# Altium PCB PMSM_Motor_Controller_v2_PCB.PcbDoc (part 1 of 3) (continued)
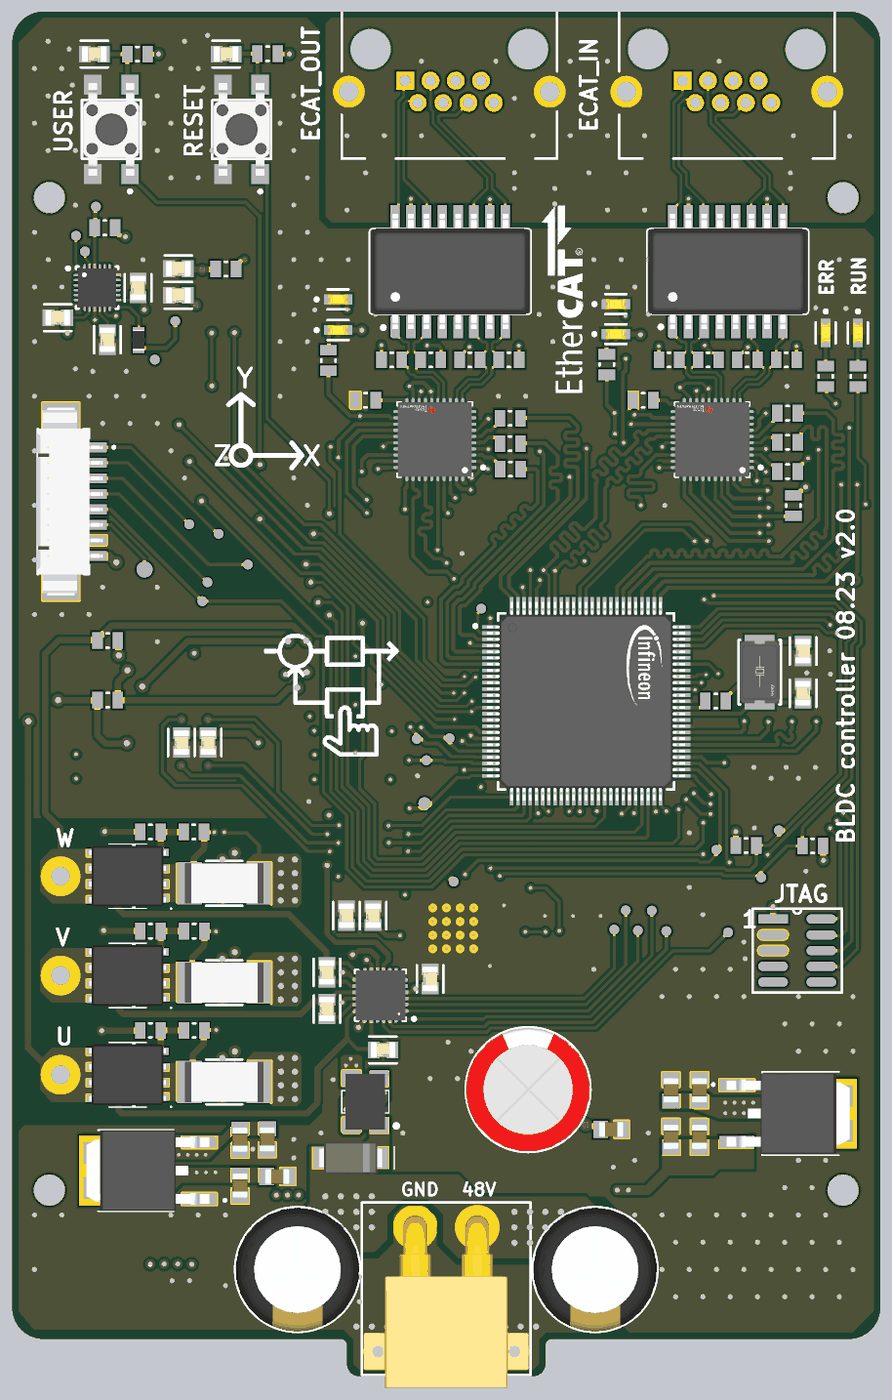
[diagram p6: 3D render of the assembled board from above, using the file's embedded part models]
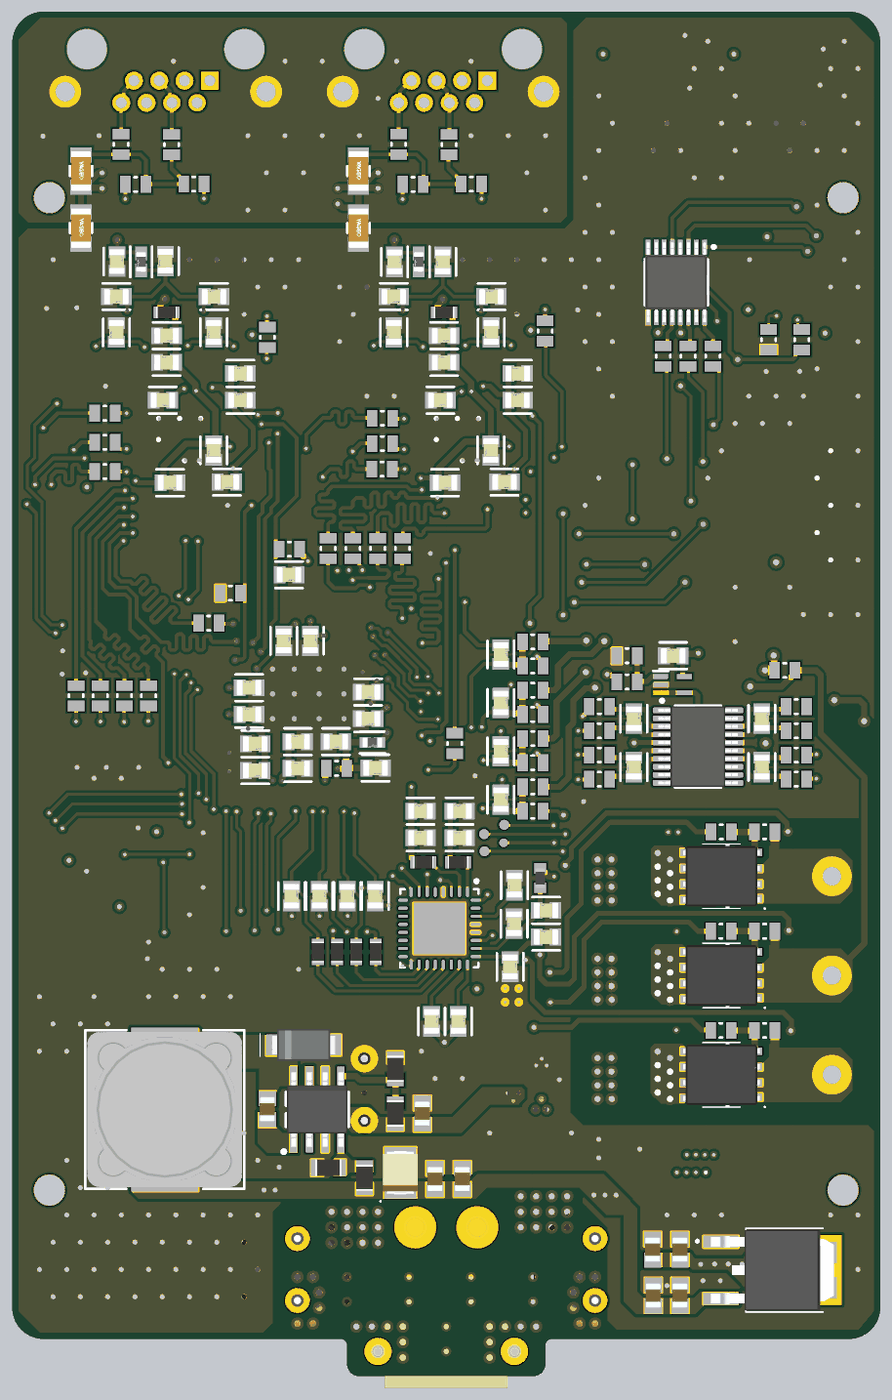
[diagram p7: 3D render of the assembled board from below, using the file's embedded part models]

## Layer stack, top to bottom
Top Solder: solder mask 0.0254, SM-001, Dk 4
Top Layer: signal copper 0.035
Dielectric 1: prepreg 0.2104, PP-017, Dk 4.6
Int1 (GND): signal copper 0.0152
Dielectric 3: core 1.065, Core-039, Dk 4.6
Int2 (PWR): signal copper 0.0152
Dielectric 5: prepreg 0.2104, PP-017, Dk 4.6
Bottom Layer: signal copper 0.035
Bottom Solder: solder mask 0.0254, SM-001, Dk 4

## Board outline
53.54,23 77.5,23 cw(c77.5,22.5) 78,22.5 78,21 ccw(c79,21) 79,20 93,20 ccw(c93,21) 94,21 94,22.5 cw(c94.5,22.5) 94.5,23 118.46,23 ccw(c118.46,25.54) 121,25.54 121,127.46 ccw(c118.46,127.46) 118.46,130 53.54,130 ccw(c53.54,127.46) 51,127.46 51,25.54 ccw(c53.54,25.54)

## Design rules (kind name [scope] priority, off if disabled: settings)
Clearance [All] p1: gap=0.2 ignorepadtopadclearanceinfootprint=FALSE except(0: Arc-Hole Track-Hole SMDPad-Hole THPad-Hole Via-Hole Fill-Hole Poly-Hole Region-Hole Text-Hole; 0.254: Fill-Fill Fill-Poly Fill-Region Poly-Poly Poly-Region Region-Region)
DiffPairsRouting [All] p1: maxlimit=0.254 minlimit=0.203 mostfreqgap=0.254 toplayer_maxgap=0.203 toplayer_prefgap=0.203 toplayer_minwidth=0.206 toplayer_maxwidth=0.206 toplayer_prefwidth=0.206 bottomlayer_maxgap=0.203 bottomlayer_prefgap=0.203 bottomlayer_minwidth=0.206 bottomlayer_maxwidth=0.206 bottomlayer_prefwidth=0.206 impedanceprofiledriven=TRUE impedanceprofileid={FE77F4A6-0BBE-48B7-8E83-864C38B45C52} impedanceprofilevalue=100.000000 maxuncoupledlength=12.7
HoleSize [All] p1: absolutevalues=TRUE maxlimit=6.3 minlimit=0.15 maxpercent=80.000 minpercent=20.000
MinimumSolderMaskSliver [All] p1: minsoldermaskwidth=0.15
PolygonConnect [All] p1: connectstyle=Direct reliefconductorwidth=0.254 reliefentries=4 polygonreliefangle="90 Angle" airgapwidth=0.254
RoutingVias [All] p1: holewidth=0.3 width=0.7 viastyle="Through Hole" minholewidth=0.25 minwidth=0.55 maxholewidth=0.5 maxwidth=1
SilkToSolderMaskClearance [IsPad] p1: minsilkscreentomaskgap=0.15 clearancetoexposedcopper=TRUE
SolderMaskExpansion [All] p1: expansion=0.102 istentingtop=FALSE
UnRoutedNet [All] p1: checkbadconnections=TRUE
Width [All] p1: maxlimit=1 minlimit=0.2 preferedwidth=0.3 minimp=50.000000 maximp=50.000000 favimp=50.000000
25 further rules are at their usual default settings.

## Classes and differential pairs
differential pair class RJ45_OUT_TD: RJ45_OUT_TD
differential pair class RJ45_OUT_RD: RJ45_OUT_RD
differential pair class RJ45_IN_TD: RJ45_IN_TD
differential pair class RJ45_IN_RD: RJ45_IN_RD
differential pair class OUT_TD: OUT_TD
differential pair class OUT_RD: OUT_RD
differential pair class IN_TD: IN_TD
differential pair class IN_RD: IN_RD
differential pair RJ45_OUT_TD: +RJ45_OUT_TD_P -RJ45_OUT_TD_N
differential pair RJ45_OUT_RD: +RJ45_OUT_RD_P -RJ45_OUT_RD_N
differential pair RJ45_IN_TD: +RJ45_IN_TD_P -RJ45_IN_TD_N
differential pair RJ45_IN_RD: +RJ45_IN_RD_P -RJ45_IN_RD_N
differential pair OUT_TD: +OUT_TD_P -OUT_TD_N
differential pair OUT_RD: +OUT_RD_P -OUT_RD_N
differential pair IN_TD: +IN_TD_P -IN_TD_N
differential pair IN_RD: +IN_RD_P -IN_RD_N

## Components (designator, comment, footprint, x,y, rotation, side; value= is the part's Value field where it differs from the comment)
C1 "220u/63V" CAP_POL_10x20 98,28.6 r90 top
C2 "220u/63V" CAP_POL_10x20 74,28.6 r90 top
C3 "100u/63V" CAP_POL_10x12 92.6,43.1 r270 top
C4 "100n/100V/0805" CAP_0805N 87.925,41.175 r270 bottom value=100n/100V
C5 "100n/100V/0805" CAP_0805N 100.425,41.525 r270 bottom value=100n/100V
C6 "100n/100V/0805" CAP_0805N 99.3,39.9 r180 top value=100n/100V
C7 "22u/16V" CAPCP3528X20N 89.7,36.4 r270 bottom
C8 "10u/16V/0805" CAP_0805N 84.7,35.9 r270 bottom value=10u/16V
C9 "100n/100V/0805" CAP_0805N 86.9,35.9 r270 bottom value=100n/100V
C10 "10u/16V/0805" CAP_0805N 71.575,39.1 r90 top value=10u/16V
C11 "100n/100V/0805" CAP_0805N 69.375,39.075 r90 top value=100n/100V
C12 "100n/100V/0805" CAP_0805N 69.375,35.375 r90 top value=100n/100V
C13 "10u/16V/0805" CAP_0805N 72.375,36.1 r180 top value=10u/16V
C14 "10u/16V/0805" CAP_0805N 104.125,39.3 r270 top value=10u/16V
C15 "100n/100V/0805" CAP_0805N 106.425,39.3 r270 top value=100n/100V
C16 "100n/100V/0805" CAP_0805N 106.425,43.05 r270 top value=100n/100V
C17 "10u/16V/0805" CAP_0805N 104.125,43.05 r270 top value=10u/16V
C18 "10u/16V/0805" CAP_0805N 69.3,26.5 r270 bottom value=10u/16V
C19 "100n/100V/0805" CAP_0805N 67.15,26.5 r270 bottom value=100n/100V
C20 "100n/100V/0805" CAP_0805N 67.15,30.2 r270 bottom value=100n/100V
C21 "10u/16V/0805" CAP_0805N 69.35,30.2 r270 bottom value=10u/16V
C22 "100nF" FP-C0805C-DN-MFG 94.9,71.15 r0 bottom value="0.10 μF"
C23 "100nF" FP-C0805C-DN-MFG 91.7,69.025 r0 bottom value="0.10 μF"
C24 "10uF" FP-C0805C-DN-MFG 101.4,70.975 r0 bottom value="0.10 μF"
C25 "100nF" FP-C0805C-DN-MFG 92.3,75.15 r0 bottom value="0.10 μF"
C26 "100nF" FP-C0805C-DN-MFG 101.4,68.825 r0 bottom value="0.10 μF"
C27 "100nF" FP-C0805C-DN-MFG 101.9,73.35 r180 bottom value="0.10 μF"
C28 "100nF" FP-C0805C-DN-MFG 96.95,79.275 r270 bottom value="0.10 μF"
C29 "10uF" FP-C0805C-DN-MFG 97.975,71.15 r180 bottom value="0.10 μF"
C30 "100nF" FP-C0805C-DN-MFG 92.3,73 r0 bottom value="0.10 μF"
C31 "100nF" FP-C0805C-DN-MFG 97.975,69 r180 bottom value="0.10 μF"
C32 "100nF" FP-C0805C-DN-MFG 101.9,75.5 r180 bottom value="0.10 μF"
C33 "100nF" FP-C0805C-DN-MFG 99.1,79.275 r270 bottom value="0.10 μF"
C34 "27pF" FP-C0805C-DN-MFG 114.775,75.05 r270 top value="0.10 μF"
C35 "27pF" FP-C0805C-DN-MFG 114.775,78.45 r90 top value="0.10 μF"
C36 "100nF" FP-C0805C-DN-MFG 57.625,126.575 r180 top value="0.10 μF"
C37 "10nF" FP-C0805C-DN-MFG 68.25,126.575 r180 top value="0.10 μF"
C38 "100nF" FP-C0805C-DN-MFG 98.675,84.6 r0 bottom value="0.10 μF"
C39 "10uF" FP-C0805C-DN-MFG 108.55,103.875 r0 bottom value="0.10 μF"
C40 "100nF" FP-C0805C-DN-MFG 108.55,101.725 r180 bottom value="0.10 μF"
C41 "100nF" FP-C0805C-DN-MFG 108.275,92.025 r0 bottom value="0.10 μF"
C42 "100nF" FP-C0805C-DN-MFG 104.75,94.625 r90 bottom value="0.10 μF"
C43 "10uF" FP-C0805C-DN-MFG 102.6,100.825 r180 bottom value="0.10 μF"
C44 "100nF" FP-C0805C-DN-MFG 102.6,98.675 r180 bottom value="0.10 μF"
C45 "100nF" FP-C0805C-DN-MFG 108.85,98.675 r0 bottom value="0.10 μF"
C46 "100nF" FP-C0805C-DN-MFG 103.675,92.075 r0 bottom value="0.10 μF"
C47 "100nF" FP-C0805C-DN-MFG 104.75,104.15 r90 bottom value="0.10 μF"
C48 "100nF" FP-C0805C-DN-MFG 112.6,104.15 r90 bottom value="0.10 μF"
C49 "100nF" FP-C0805C-DN-MFG 104.725,107.025 r180 bottom value="0.10 μF"
C50 "100nF" FP-C0805C-DN-MFG 112.6,107.025 r0 bottom value="0.10 μF"
C51 "100nF" FP-C0805C-DN-MFG 108.65,109.875 r90 bottom value="0.10 μF"
C52 "100nF" FP-C0805C-DN-MFG 112.55,109.85 r270 bottom value="0.10 μF"
C53 "1nF/2kV" FP-CC1206-0_3-1_45-IPC_C 115.45,112.55 r270 bottom
C54 "1nF/2kV" FP-CC1206-0_3-1_45-IPC_C 115.45,117.15 r270 bottom
C55 "10uF" FP-C0805C-DN-MFG 86.175,103.875 r0 bottom value="0.10 μF"
C56 "100nF" FP-C0805C-DN-MFG 86.175,101.725 r180 bottom value="0.10 μF"
C57 "100nF" FP-C0805C-DN-MFG 86.1,92.025 r0 bottom value="0.10 μF"
C58 "100nF" FP-C0805C-DN-MFG 82.4,94.625 r90 bottom value="0.10 μF"
C59 "10uF" FP-C0805C-DN-MFG 80.225,100.825 r180 bottom value="0.10 μF"
C60 "100nF" FP-C0805C-DN-MFG 80.25,98.675 r180 bottom value="0.10 μF"
C61 "100nF" FP-C0805C-DN-MFG 86.475,98.675 r0 bottom value="0.10 μF"
C62 "100nF" FP-C0805C-DN-MFG 81.3,92.075 r0 bottom value="0.10 μF"
C63 "100nF" FP-C0805C-DN-MFG 82.375,104.15 r90 bottom value="0.10 μF"
C64 "100nF" FP-C0805C-DN-MFG 90.225,104.15 r90 bottom value="0.10 μF"
C65 "100nF" FP-C0805C-DN-MFG 82.35,107.025 r180 bottom value="0.10 μF"
C66 "100nF" FP-C0805C-DN-MFG 90.225,107.025 r0 bottom value="0.10 μF"
C67 "100nF" FP-C0805C-DN-MFG 86.275,109.825 r90 bottom value="0.10 μF"
C68 "100nF" FP-C0805C-DN-MFG 90.175,109.825 r270 bottom value="0.10 μF"
C69 "1nF/2kV" FP-CC1206-0_3-1_45-IPC_C 93.075,112.55 r270 bottom
C70 "1nF/2kV" FP-CC1206-0_3-1_45-IPC_C 93.075,117.15 r270 bottom
C71 "820n/16V" FP-C0805C-DN-MFG 84.7,52.025 r90 top value="0.10 μF"
C72 "82n/25V" FP-C0805C-DN-MFG 80.9,46.3 r180 top value="0.10 μF"
C73 "82n/25V" FP-C0805C-DN-MFG 76.375,49.6 r90 top value="0.10 μF"
C74 "82n/25V" FP-C0805C-DN-MFG 76.375,52.55 r90 top value="0.10 μF"
C75 "22n/50V" FP-C0805C-DN-MFG 81.6,70.375 r270 bottom value="0.10 μF"
C76 "22n/50V" FP-C0805C-DN-MFG 81.6,74.275 r270 bottom value="0.10 μF"
C77 "22n/50V" FP-C0805C-DN-MFG 81.6,78.175 r270 bottom value="0.10 μF"
C78 "33n/50V" FP-C0805C-DN-MFG 81.6,66.475 r270 bottom value="0.10 μF"
C79 "100n/25V" FP-C0805C-DN-MFG 67.7,78.075 r180 bottom value="0.10 μF"
C80 "1u/25V" FP-C0805C-DN-MFG 64.65,71.075 r90 top value="0.10 μF"
C81 "100n/25V" FP-C0805C-DN-MFG 66.8,71.075 r90 top value="0.10 μF"
C82 "82n/25V" FP-C0805C-DN-MFG 60.55,69.1 r90 bottom value="0.10 μF"
C83 "82n/25V" FP-C0805C-DN-MFG 70.875,69.1 r90 bottom value="0.10 μF"
C84 "82n/25V" FP-C0805C-DN-MFG 70.875,73 r270 bottom value="0.10 μF"
C85 "82n/25V" FP-C0805C-DN-MFG 60.55,73 r270 bottom value="0.10 μF"
C86 "10nF" FP-C0805C-DN-MFG 87.175,48.6 r270 bottom value="0.10 μF"
C87 "10nF" FP-C0805C-DN-MFG 85.025,48.6 r270 bottom value="0.10 μF"
C88 "10uF" FP-C0805C-DN-MFG 77.95,57.55 r180 bottom value="0.10 μF"
C89 "100nF" FP-C0805C-DN-MFG 80.525,56.475 r90 bottom value="0.10 μF"
C90 "10uF" FP-C0805C-DN-MFG 77.95,57.125 r90 top value="0.10 μF"
C91 "100nF" FP-C0805C-DN-MFG 80.1,57.125 r90 top value="0.10 μF"
C92 "10uF" FP-C0805C-DN-MFG 77.95,55.4 r180 bottom value="0.10 μF"
C93 "100nF" FP-C0805C-DN-MFG 80.85,53 r270 bottom value="0.10 μF"
C94 "100nF" FP-C0805C-DN-MFG 80.5,59.575 r90 bottom value="0.10 μF"
C95 "100nF" FP-C0805C-DN-MFG 88.075,63.4 r180 bottom value="0.10 μF"
C96 "10uF" FP-C0805C-DN-MFG 88.075,65.55 r180 bottom value="0.10 μF"
C97 "10uF" FP-C0805C-DN-MFG 84.925,65.55 r180 bottom value="0.10 μF"
C98 "100nF" FP-C0805C-DN-MFG 84.925,63.4 r180 bottom value="0.10 μF"
C99 "10nF" FP-C0805C-DN-MFG 98.475,58.7 r270 bottom value="0.10 μF"
C100 "10nF" FP-C0805C-DN-MFG 96.225,58.7 r270 bottom value="0.10 μF"
C101 "10nF" FP-C0805C-DN-MFG 93.975,58.7 r270 bottom value="0.10 μF"
C102 "10nF" FP-C0805C-DN-MFG 91.725,58.7 r270 bottom value="0.10 μF"
C103 "0.1uF" FP-C0805C-DN-MFG 64.4,107.125 r180 top value="0.10 μF"
C104 "0.1uF" FP-C0805C-DN-MFG 64.4,109.275 r180 top value="0.10 μF"
C105 "0.1uF" FP-C0805C-DN-MFG 61.15,107.725 r90 top value="0.10 μF"
C106 "0.1uF" FP-C0805C-DN-MFG 54.675,105.325 r180 top value="0.10 μF"
C107 "0.1uF" FP-C0805C-DN-MFG 58.675,103.55 r90 top value="0.10 μF"
D1 "RBR2L60" DO-214AC 78.3,37.6 r0 top
D2 "RBR2L60" DO-214AC 97.5,46.7 r0 bottom
D3 "LED ETH_ERR" FP-LTST-C191GKT-MFG 116.6,104.1 r270 top
D4 "LED ETH_RUN" FP-LTST-C191GKT-MFG 119.2,104.1 r270 top
D5 "LED IN_LINK" FP-LTST-C191GKT-MFG 99.675,104 r0 top
D6 "LED IN_LINK_ACT" FP-LTST-C191GKT-MFG 99.675,106.425 r0 top
D7 "LED OUT_LINK" FP-LTST-C191GKT-MFG 77.275,104.325 r0 top
D8 "LED OUT_LINK_ACT" FP-LTST-C191GKT-MFG 77.275,106.8 r0 top
FB1 "60R@100MHz" FP-BLM18-0_15-t0_8-IPC_C 91.95,71.075 r180 bottom
FB2 "60R@100MHz" FP-BLM18-0_15-t0_8-IPC_B 110.6,109.825 r270 bottom
FB3 "60R@100MHz" FP-BLM18-0_15-t0_8-IPC_B 88.225,109.825 r270 bottom
FB4 "1k/100MHz" FB_0603 78.425,60.15 r270 bottom
J1 "XT30PW-M" XT30_PCB 86,27 r180 top
J2 "JTAG Molex" 2X5_JTAG_HEADER 114.3,54.3 r0 top
J3 "RJ45_IN" 438600010 105.065,124.43 r180 top
J4 "RJ45_OUT" 438600010 82.69,124.43 r180 top
J5 "Hall conector" AMPHENOL_10114830-11108LF 55.125,90.5 r270 top
L1 "1uH" 744235601 79.475,42.125 r90 top
L2 "220uH/1.3A" INDP125125X65N 108.7,41.5 r270 bottom
Q1 "FDMS86182" FDMS86182 63.81,44.3 r90 bottom
Q2 "FDMS86182" FDMS86182 60.31,44.3 r90 top
Q3 "FDMS86182" FDMS86182 63.81,52.3 r90 bottom
Q4 "FDMS86182" FDMS86182 60.31,52.3 r90 top
Q5 "FDMS86182" FDMS86182 63.81,60.3 r90 bottom
Q6 "FDMS86182" FDMS86182 60.31,60.3 r90 top
R1 "1M/0805" RES_0805N 90.1,41.175 r270 bottom value=1M
R2 "137k/0805" RES_0805N 90.1,44.775 r270 bottom value=137k
R3 "137k/0805" RES_0805N 92.6,36 r270 bottom value=71k5
R4 "137k/0805" RES_0805N 95.5,36.8 r180 bottom value=10k
R5 "0R" RESC2013X50X30LL20T20 94.85,69 r0 bottom
R6 "0R" RESC2013X50X30LL20T20 107.725,74.425 r0 top
R7 "10k" RESC2013X50X30LL20T20 61.1,126.575 r180 top
R8 "10k" RESC2013X50X30LL20T20 71.6,126.6 r180 top
R9 "4k7" RESC2013X50X30LL20T20 98.65,86.675 r180 bottom
R10 "4k7" RESC2013X50X30LL20T20 103.4,83.125 r180 bottom
R11 "1k" RESC2013X50X30LL20T20 116.6,100.6 r90 top
R12 "1k" RESC2013X50X30LL20T20 119.2,100.6 r90 top
R13 "0R" RESC1609X50X30NL8T20 108.55,105.75 r0 bottom
R14 "4k87" RESC2013X50X30LL20T20 101.875,98.675 r0 top
R15 "49R9" RESC2013X50X30LL20T20 113.525,92.925 r180 bottom
R16 "49R9" RESC2013X50X30LL20T20 113.525,92.925 r180 top
R17 "49R9" RESC2013X50X30LL20T20 113.525,95.275 r180 bottom
R18 "49R9" RESC2013X50X30LL20T20 113.525,95.275 r180 top
R19 "49R9" RESC2013X50X30LL20T20 113.525,97.625 r180 top
R20 "49R9" RESC2013X50X30LL20T20 113.525,97.625 r180 bottom
R21 "49R9" RESC2013X50X30LL20T20 105.15,80.7 r0 bottom
R22 "49R9" RESC2013X50X30LL20T20 115.85,74.85 r90 bottom
R23 "49R9" RESC2013X50X30LL20T20 113.9,74.85 r90 bottom
R24 "49R9" RESC2013X50X30LL20T20 111.95,74.85 r90 bottom
R25 "49R9" RESC2013X50X30LL20T20 110,74.85 r90 bottom
R26 "2k2" RESC2013X50X30LL20T20 113.991,90.184 r270 top
R27 "49R9" RESC2013X50X30LL20T20 103.975,101.925 r180 top
R28 "49R9" RESC2013X50X30LL20T20 107.125,101.925 r0 top
R29 "49R9" RESC2013X50X30LL20T20 110.275,101.925 r180 top
R30 "49R9" RESC2013X50X30LL20T20 113.425,101.925 r0 top
R31 "75R" RESC2013X50X30LL20T20 111.05,116.075 r0 bottom
R32 "75R" RESC2013X50X30LL20T20 106.35,116.1 r180 bottom
R33 "75R" RESC2013X50X30LL20T20 108.15,119.275 r90 bottom
R34 "75R" RESC2013X50X30LL20T20 112.225,119.3 r90 bottom
R35 "330R" RESC2013X50X30LL20T20 98.95,101.55 r90 top
R36 "330R" RESC2013X50X30LL20T20 100.425,103.75 r90 bottom
R37 "0R" RESC1609X50X30NL8T20 86.175,105.75 r0 bottom
R38 "4k87" RESC2013X50X30LL20T20 79.5,98.675 r0 top
R39 "49R9" RESC2013X50X30LL20T20 91.175,93.125 r180 bottom
R40 "49R9" RESC2013X50X30LL20T20 91.175,93.125 r180 top
R41 "49R9" RESC2013X50X30LL20T20 91.15,95.175 r180 bottom
R42 "49R9" RESC2013X50X30LL20T20 91.15,95.175 r180 top
R43 "49R9" RESC2013X50X30LL20T20 91.15,97.225 r180 top
R44 "49R9" RESC2013X50X30LL20T20 91.15,97.225 r180 bottom
R45 "49R9" RESC2013X50X30LL20T20 89.525,86.725 r90 bottom
R46 "49R9" RESC2013X50X30LL20T20 95.525,86.725 r90 bottom
R47 "49R9" RESC2013X50X30LL20T20 93.525,86.725 r90 bottom
R48 "49R9" RESC2013X50X30LL20T20 91.525,86.725 r90 bottom
R49 "49R9" RESC2013X50X30LL20T20 85.325,71 r90 bottom
R50 "49R9" RESC2013X50X30LL20T20 81.6,101.925 r180 top
R51 "49R9" RESC2013X50X30LL20T20 84.75,101.925 r0 top
R52 "49R9" RESC2013X50X30LL20T20 87.9,101.925 r180 top
R53 "49R9" RESC2013X50X30LL20T20 91.05,101.925 r0 top
R54 "75R" RESC2013X50X30LL20T20 88.675,116.075 r0 bottom
R55 "75R" RESC2013X50X30LL20T20 83.975,116.1 r180 bottom
R56 "75R" RESC2013X50X30LL20T20 85.775,119.275 r90 bottom
R57 "75R" RESC2013X50X30LL20T20 89.85,119.3 r90 bottom
R58 "330R" RESC2013X50X30LL20T20 76.5,101.875 r90 top
R59 "330R" RESC2013X50X30LL20T20 78.025,104.25 r90 bottom
R60 "4R7" RESC2013X50X30LL20T20 63.85,47.875 r0 bottom
R61 "4R7" RESC2013X50X30LL20T20 62.15,47.875 r180 top
R62 "100k" RESC2013X50X30LL20T20 60.325,47.875 r0 bottom
R63 "4R7" RESC2013X50X30LL20T20 63.85,55.875 r0 bottom
R64 "4R7" RESC2013X50X30LL20T20 62.15,55.875 r180 top
R65 "100k" RESC2013X50X30LL20T20 60.325,55.875 r0 bottom
R66 "4R7" RESC2013X50X30LL20T20 63.825,63.875 r0 bottom
R67 "4R7" RESC2013X50X30LL20T20 62.15,63.875 r180 top
R68 "100k" RESC2013X50X30LL20T20 60.325,63.875 r0 bottom
R69 "68k" RESC2013X50X30LL20T20 79.025,71.4 r180 bottom
R70 "6k8" RESC2013X50X30LL20T20 79.025,69.45 r180 bottom
R71 "68k" RESC2013X50X30LL20T20 79.025,75.3 r180 bottom
R72 "6k8" RESC2013X50X30LL20T20 79.025,73.35 r180 bottom
R73 "68k" RESC2013X50X30LL20T20 79.025,79.2 r180 bottom
R74 "6k8" RESC2013X50X30LL20T20 79.025,77.25 r180 bottom
R75 "22k" RESC2013X50X30LL20T20 58.7,74.5 r180 top
R76 "22k" RESC2013X50X30LL20T20 58.7,76.9 r180 bottom
R77 "22k" RESC2013X50X30LL20T20 58.7,79.3 r180 top
R78 "47k" RESC2013X50X30LL20T20 79.025,67.5 r180 bottom
R79 "6k8" RESC2013X50X30LL20T20 79.025,65.55 r180 bottom
R80 "100k" RESC2013X50X30LL20T20 65.65,63.875 r0 top
R81 "100k" RESC2013X50X30LL20T20 65.675,55.875 r0 top
R82 "100k" RESC2013X50X30LL20T20 65.675,47.875 r0 top
R83 "5mR/2512" RESC6432X08N 68.1,59.725 r180 top value=5mR
R84 "5mR/2512" RESC6432X08N 68.1,51.725 r180 top value=5mR
R85 "5mR/2512" RESC6432X08N 68.1,43.725 r180 top value=5mR
R86 "12k" RESC2013X50X30LL20T20 71.425,75.975 r180 bottom
R87 "10k" RESC2013X50X30LL20T20 71.425,78.075 r0 bottom
R88 "10R" RESC2013X50X30LL20T20 57.775,70.075 r0 bottom
R89 "10R" RESC2013X50X30LL20T20 57.775,68.125 r0 bottom
R90 "10R" RESC2013X50X30LL20T20 73.65,70.075 r180 bottom
R91 "10R" RESC2013X50X30LL20T20 73.65,68.125 r180 bottom
R92 "10R" RESC2013X50X30LL20T20 73.65,72.025 r180 bottom
R93 "10R" RESC2013X50X30LL20T20 73.65,73.975 r180 bottom
R94 "10R" RESC2013X50X30LL20T20 57.775,72.025 r0 bottom
R95 "10R" RESC2013X50X30LL20T20 57.775,73.975 r0 bottom
R96 "47k" RESC2013X50X30LL20T20 110.175,62.775 r180 top
R97 "47k" RESC2013X50X30LL20T20 115.55,62.75 r0 top
R98 "0R" RESC1609X50X30NL8T20 94.8,54.2 r90 bottom
R99 "0R" RESC1609X50X30NL8T20 93.25,54.2 r90 bottom
R100 "0R" RESC1609X50X30NL8T20 91.7,54.2 r90 bottom
R101 "0R" RESC1609X50X30NL8T20 96.35,54.2 r90 bottom
R102 "0R" RESC1609X50X30NL8T20 85.05,61.425 r0 bottom
R103 "0R" RESC1609X50X30NL8T20 87.85,61.425 r0 bottom
R104 "22R" RESC2013X50X30LL20T20 64.5,102.225 r270 bottom
R105 "22R" RESC2013X50X30LL20T20 66.5,102.225 r270 bottom
R106 "22R" RESC2013X50X30LL20T20 68.5,102.225 r270 bottom
R107 "2k2" RESC2013X50X30LL20T20 68.225,109.25 r180 top
R108 "22R" RESC2013X50X30LL20T20 57.325,103.55 r90 bottom
R109 "4k7" RESC2013X50X30LL20T20 58.475,112.575 r0 top
R110 "0R" RESC1609X50X30NL8T20 61.2,103.525 r270 top
R111 "10k" RESC2013X50X30LL20T20 60,103.55 r90 bottom
SW1 "USER_BUTTON" FP-TL3305AF260QG-MFG 59,120.5 r90 top
SW2 "RESET" FP-TL3305AF260QG-MFG 69.5,120.5 r90 top
TP1 "Test Point 1mm" "Pad 1mm"#1 108.725,55.775 r90 top
TP2 "Test Point 1mm" "Pad 1mm"#1 103.75,55.875 r90 top
TP3 "Test Point 1mm" "Pad 1mm"#1 102.575,57.525 r90 top
TP4 "Test Point 1mm" "Pad 1mm"#1 101.45,55.925 r90 top
TP5 "Test Point 1mm" "Pad 1mm"#1 100.475,57.55 r90 top
TP6 "Test Point 1mm" "Pad 1mm"#1 99.55,56 r90 top
TP7 "Test Point 1mm" "Pad 1mm"#1 84.4,69.65 r90 top
TP8 "Test Point 1mm" "Pad 1mm"#1 83.625,71.375 r90 top
TP9 "Test Point 1mm" "Pad 1mm"#1 86.275,71.425 r90 top
TP10 "Test Point 1mm" "Pad 1mm"#2 84.25,66.175 r90 top
TP11 "Test Point 1mm" "Pad 1mm"#1 81.325,64.45 r90 bottom
TP12 "Test Point 1mm" "Pad 1mm"#1 82.95,63.7 r90 bottom
TP13 "Test Point 1mm" "Pad 1mm"#3 81.375,63 r90 bottom
TP14 "Test Point 1mm" "Pad 1mm"#1 82.913,62.313 r90 bottom
TP15 "Test Point 1mm" "Pad 1mm"#1 88.825,81.875 r90 top
TP16 "Test Point 1mm" "Pad 1mm"#1 107.775,62.425 r90 top
TP17 "Test Point 1mm" "Pad 1mm"#1 112.825,64 r90 top
TP18 "Test Point 1mm" "Pad 1mm"#1 111.4,60.2 r90 top
TP19 "Test Point 1mm" "Pad 1mm"#1 67.65,87.9 r90 top
TP20 "Test Point 1mm" "Pad 1mm"#1 65.275,88.675 r90 top
TP21 "Test Point 1mm" "Pad 1mm"#1 70,85.425 r90 top
TP22 "Test Point 1mm" "Pad 1mm"#1 66.75,84 r90 top
TP23 "Test Point 1mm" "Pad 1mm"#1 66.332,82.475 r90 top
TP24 "Test Point 1mm" "Pad 1mm"#1 86.6,59.875 r90 top
TP25 "Test Point 1mm" "Pad 1mm"#1 62.5,101.95 r90 top
TP26 "Test Point 1mm" "Pad 1mm"#1 56.15,111.925 r90 top
TP27 "Test Point 1mm" "Pad 1mm"#1 56.875,110.65 r90 top
TP28 "Test Point 1mm" "Pad 1mm"#1 64.15,105.05 r90 top
TP29 "Test Point 1mm" "Pad 1mm"#1 57.75,114.275 r90 top
TP_HALL "Test Point 1mm" "Pad 1mm"#4 61.675,85.025 r90 top
U1 "MAX5035DASA" SOIC-8 96.4,41.5 r90 bottom
U2 "NCP1117DT50G" NCP1117DT50G 61.95,36.575 r180 top
U3 "NCV1117DT33T5G" NCV1117DT33T5G 113.575,41.175 r0 top
U4 "NCP1117DT18G" NCV1117DT33T5G 59.71,28.55 r180 bottom
U5 "XMC4300F100K256AAXQMA1" FP-PG-LQFP-100-MFG 97.275,74.4 r0 top
U6 "DP83848MSQ/NOPB" FP-RTA0040A-IPC_B 107.45,95.5 r180 top
U7 "PT61017PEL" PT61017PEL 108.7,109.05 r0 top
U8 "DP83848MSQ/NOPB" FP-RTA0040A-IPC_B 85.075,95.5 r180 top
U9 "PT61017PEL" PT61017PEL 86.325,109.05 r0 top
U10 "DRV8300D" PQFN50P400X400X100_HS-25N 80.7,50.7 r180 top
U11 "TLV9051IDCKR" SOT65P210X110-5N 67.75,75.75 r180 bottom
U12 "INA4181A1" TSOP65P640X120-20N 65.7,70.75 r180 bottom
U13 "AM4096" QFN65P600X600X100_HS-33N 86.56,56.1 r270 bottom
U14 "TXB0106PWR" PW0016A_L 67.45,108.175 r270 bottom
U15 "ICM-20948" TDK-QFN-24_L 57.85,107.75 r0 top
X1 "12MHz" FP-ABM3-MFG 111.275,76.75 r270 top
